# Altium PCB mainboard.PcbDoc (part 1 of 7) (continued)
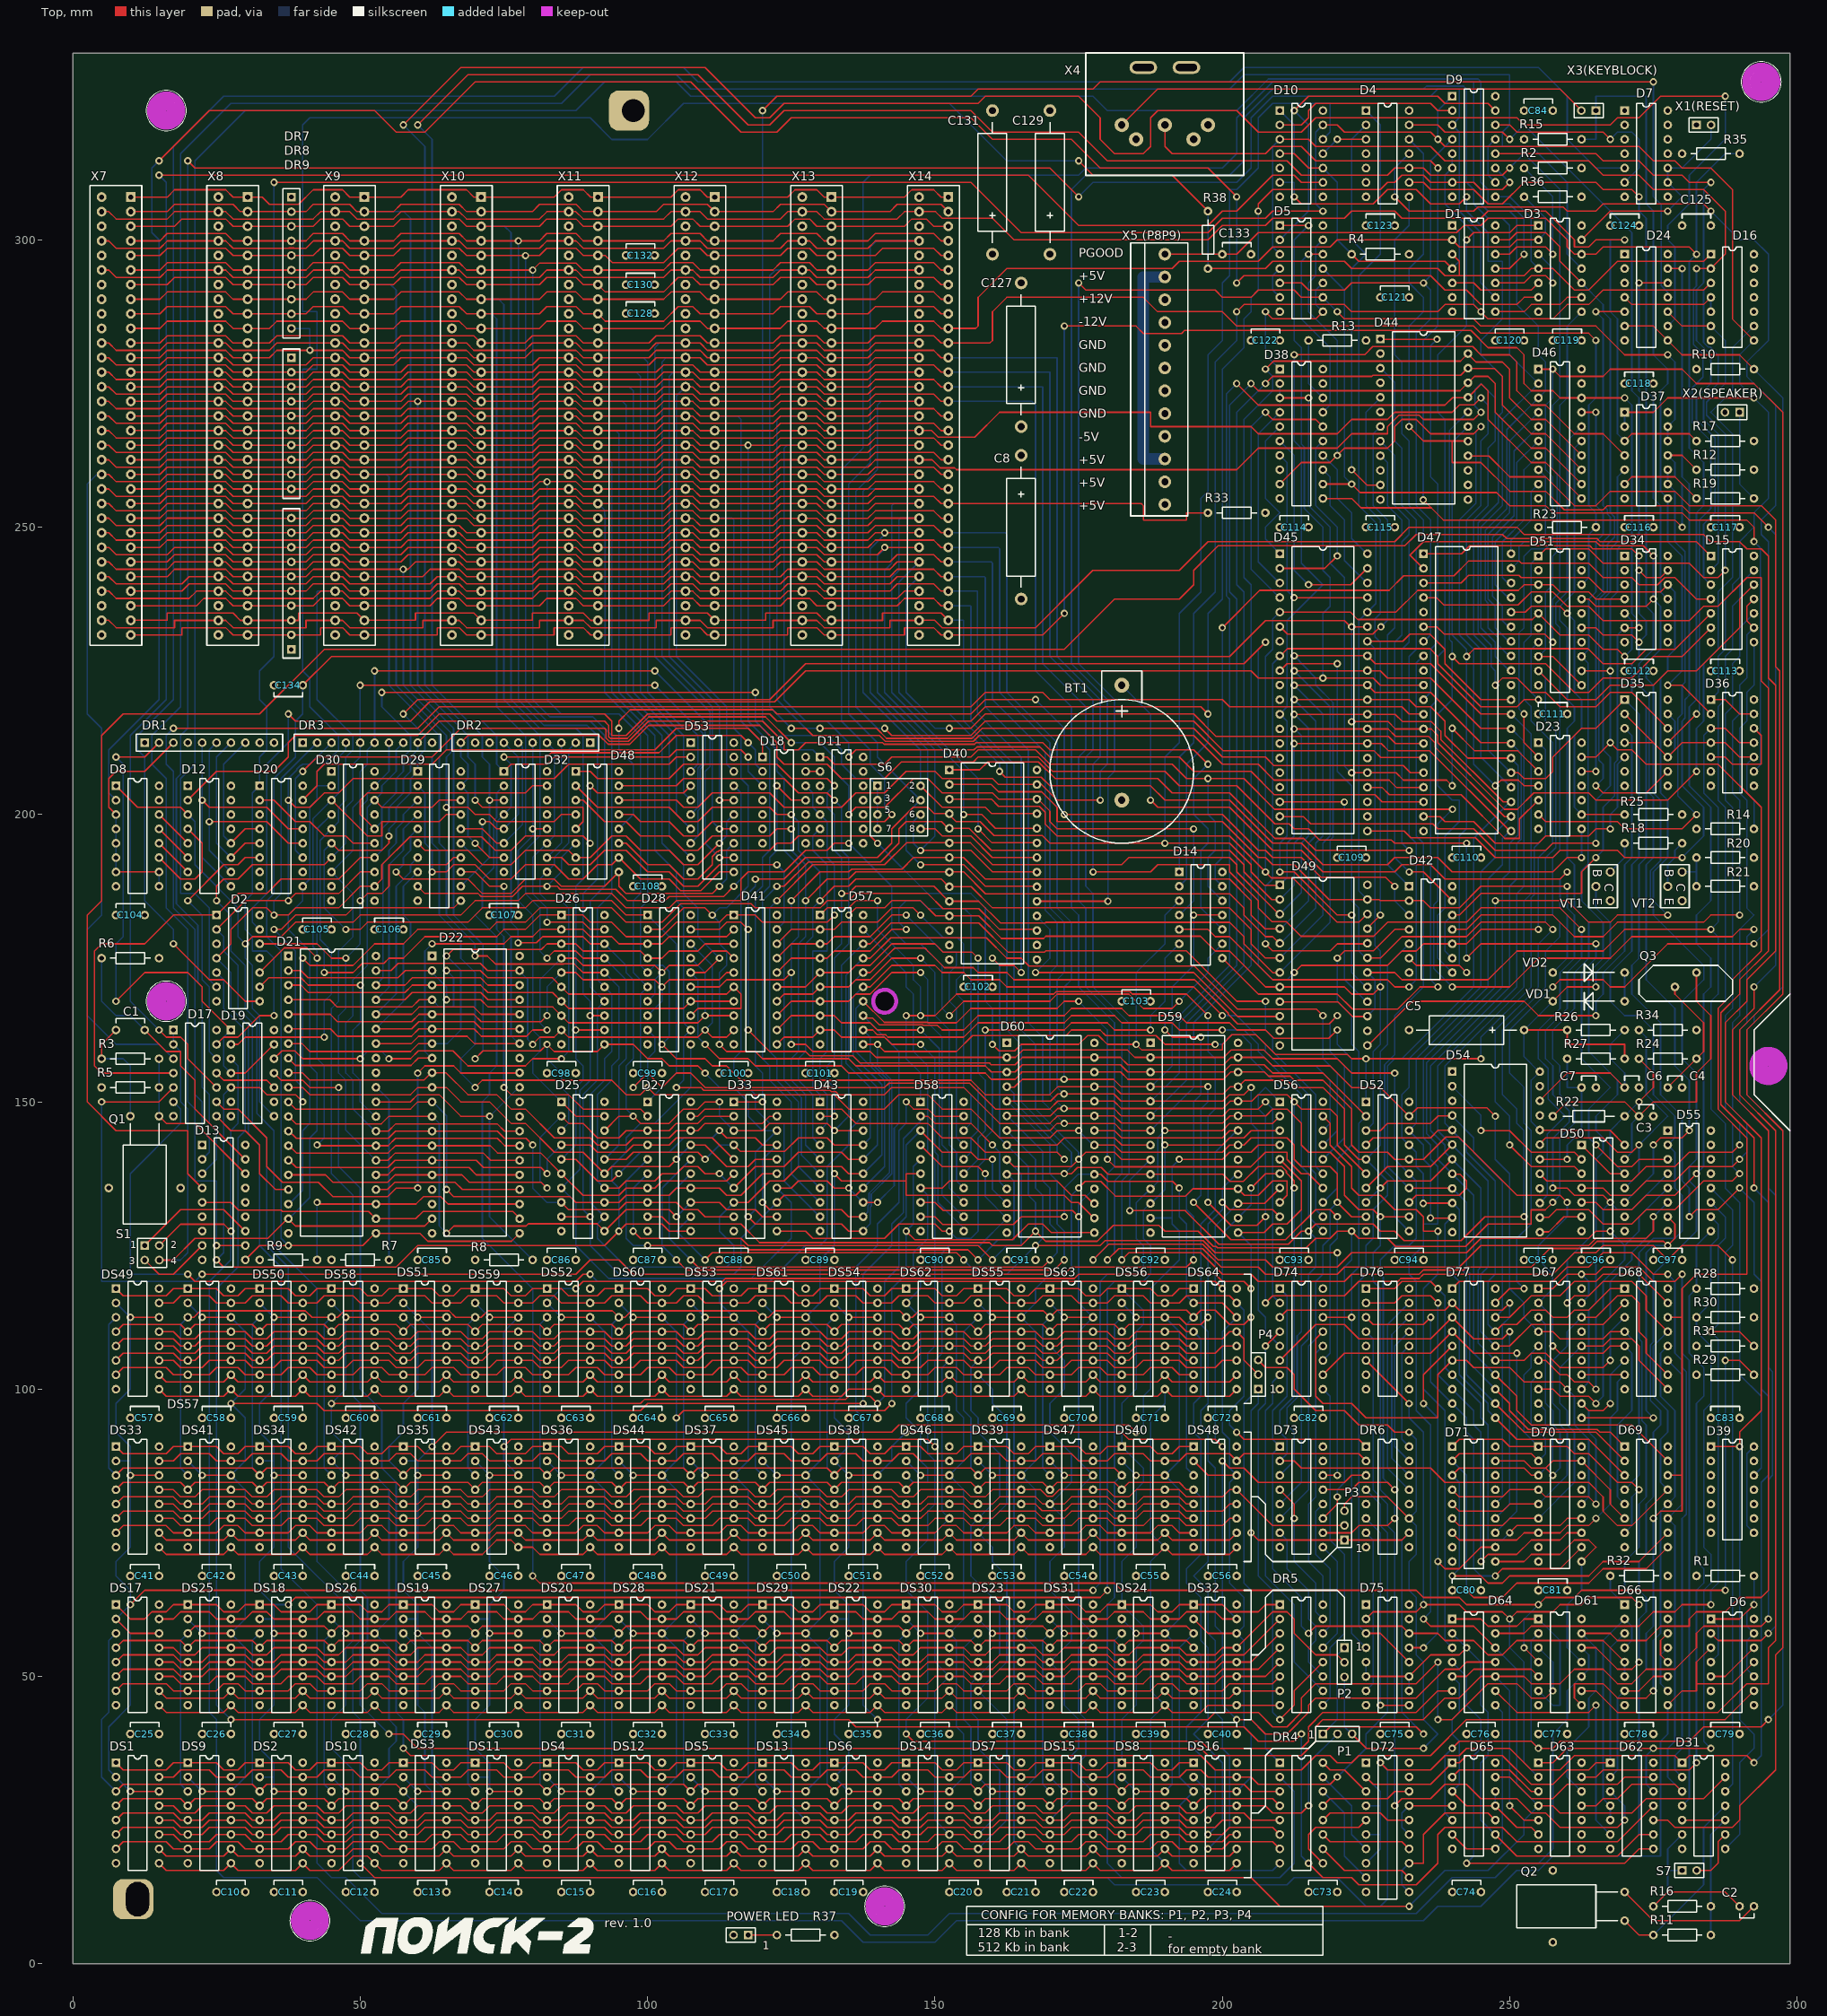
[diagram p0: Top view]
## Components (designator, comment, footprint, x,y, rotation, side; value= is the part's Value field where it differs from the comment) (continued)
X4 "Keyboard" DN-5J 182.498,320 r0 top
"X5 (P8P9)" "POWER SUPPLY" P8P9_12A 189.998,297.5 r0 top (schematic designator X5)
X7 "SlotISA8Bit" ISA8bit 4.998,307.45 r0 top
X8 "SlotISA8Bit" ISA8bit 25.318,307.45 r0 top
X9 "SlotISA8Bit" ISA8bit 45.638,307.45 r0 top
X10 "SlotISA8Bit" ISA8bit 65.958,307.45 r0 top
X11 "SlotISA8Bit" ISA8bit 86.278,307.45 r0 top
X12 "SlotISA8Bit" ISA8bit 106.598,307.45 r0 top
X13 "SlotISA8Bit" ISA8bit 126.918,307.45 r0 top
X14 "SlotISA8Bit" ISA8bit 147.238,307.45 r0 top

## Footprints (in the part's own frame and the unit in brackets; to place one, negate y for a bottom-side part, rotate by r counter-clockwise, add the part's x,y. Pads: shape width x height; smd on the part's side, far side on the other; paste and mask are expansions set on the pad)
BATTERY_6V [mm]
  round 2.6 hole 1.3: 1(0,0) 2(20,0)
  silkscreen extent -2.5,-12.5 27.5,12.5, body extent -2.68,-11.5 24.75,11.5, height 8.71
CAP_2.5MM [mm]
  round 1.5 hole 0.8: 1(0,0) 2(2.5,0)
  silkscreen extent 0,1.25 2.5,2
Cap_5mm [mm]
  round 1.5 hole 0.8: 1(0,0) 2(5,0)
  silkscreen extent 0,1.25 5,2, body extent -1.25,-2.25 6.25,2.25, height 8
CAP_20MM_P [mm]
  round 1.5 hole 0.8: 1(0,0) 2(20,0)
  silkscreen extent 1.25,-2.5 18.75,2.5
CAP_25MM_P [mm]
  round 2.2 hole 1.2: 1(0,0) 2(25,0)
  silkscreen extent 2,-2.5 23,2.5
DIOD_12.5 [mm]
  round 1.5 hole 0.8: A(0,0) K(12.5,0)
  silkscreen extent 1.75,-1.5 10.75,1.5
DIP14 [mm]
  rect 1.5x1.5 hole 0.8: 1(0,0)
  round 1.5 hole 0.8: 2(0,-2.5) 3(0,-5) 4(0,-7.5) 5(0,-10) 6(0,-12.5) 7(0,-15) 8(7.5,-15) 9(7.5,-12.5) 10(7.5,-10) 11(7.5,-7.5) 12(7.5,-5) 13(7.5,-2.5) 14(7.5,0)
  silkscreen extent 2.08,-16.25 5.42,1.25, body extent -0.24,-17.02 7.76,2.03, height 3.69
DIP16 [mm]
  rect 1.5x1.5 hole 0.8: 1(0,0)
  round 1.5 hole 0.8: 2(0,-2.5) 3(0,-5) 4(0,-7.5) 5(0,-10) 6(0,-12.5) 7(0,-15) 8(0,-17.5) 9(7.5,-17.5) 10(7.5,-15) 11(7.5,-12.5) 12(7.5,-10) 13(7.5,-7.5) 14(7.5,-5) 15(7.5,-2.5) 16(7.5,0)
  silkscreen extent 2.08,-18.75 5.42,1.25, body extent -0.21,-19.77 7.66,2.23, height 4.94
DIP18 [mm]
  rect 1.5x1.5 hole 0.8: 1(0,0)
  round 1.5 hole 0.8: 2(0,-2.5) 3(0,-5) 4(0,-7.5) 5(0,-10) 6(0,-12.5) 7(0,-15) 8(0,-17.5) 9(0,-20) 10(7.5,-20) 11(7.5,-17.5) 12(7.5,-15) 13(7.5,-12.5) 14(7.5,-10) 15(7.5,-7.5) 16(7.5,-5) 17(7.5,-2.5) 18(7.5,0)
  silkscreen extent 2.08,-21.25 5.42,1.25, body extent -0.28,-21.44 7.59,1.55, height 5.08
DIP20 [mm]
  rect 1.5x1.5 hole 0.8: 1(0,0)
  round 1.5 hole 0.8: 2(0,-2.5) 3(0,-5) 4(0,-7.5) 5(0,-10) 6(0,-12.5) 7(0,-15) 8(0,-17.5) 9(0,-20) 10(0,-22.5) 11(7.5,-22.5) 12(7.5,-20) 13(7.5,-17.5) 14(7.5,-15) 15(7.5,-12.5) 16(7.5,-10) 17(7.5,-7.5) 18(7.5,-5) 19(7.5,-2.5) 20(7.5,0)
  silkscreen extent 2.08,-23.75 5.42,1.25, body extent -0.21,-24.47 7.61,2.07, height 4.57
DIP24 [mm]
  rect 1.5x1.5 hole 0.8: 1(0,0)
  round 1.5 hole 0.8: 2(0,-2.54) 3(0,-5.08) 4(0,-7.62) 5(0,-10.16) 6(0,-12.7) 7(0,-15.24) 8(0,-17.78) 9(0,-20.32) 10(0,-22.86) 11(0,-25.4) 12(0,-27.94) 13(15.24,-27.94) 14(15.24,-25.4) 15(15.24,-22.86) 16(15.24,-20.32) 17(15.24,-17.78) 18(15.24,-15.24) 19(15.24,-12.7) 20(15.24,-10.16) 21(15.24,-7.62) 22(15.24,-5.08) 23(15.24,-2.54) 24(15.24,0)
  silkscreen extent 2.08,-28.75 12.92,1.25, body extent -0.22,-29.93 15.22,2.33, height 5.09
DIP28 [mm]
  rect 1.5x1.5 hole 0.8: 1(0,0)
  round 1.5 hole 0.8: 2(0,-2.54) 3(0,-5.08) 4(0,-7.62) 5(0,-10.16) 6(0,-12.7) 7(0,-15.24) 8(0,-17.78) 9(0,-20.32) 10(0,-22.86) 11(0,-25.4) 12(0,-27.94) 13(0,-30.48) 14(0,-33.02) 15(15.24,-33.02) 16(15.24,-30.48) 17(15.24,-27.94) 18(15.24,-25.4) 19(15.24,-22.86) 20(15.24,-20.32) 21(15.24,-17.78) 22(15.24,-15.24) 23(15.24,-12.7) 24(15.24,-10.16) 25(15.24,-7.62) 26(15.24,-5.08) 27(15.24,-2.54) 28(15.24,0)
  silkscreen extent 2.08,-33.75 12.92,1.25
DIP40 [mm]
  rect 1.5x1.5 hole 0.8: 1(0,0)
  round 1.5 hole 0.8: 2(0,-2.54) 3(0,-5.08) 4(0,-7.62) 5(0,-10.16) 6(0,-12.7) 7(0,-15.24) 8(0,-17.78) 9(0,-20.32) 10(0,-22.86) 11(0,-25.4) 12(0,-27.94) 13(0,-30.48) 14(0,-33.02) 15(0,-35.56) 16(0,-38.1) 17(0,-40.64) 18(0,-43.18) 19(0,-45.72) 20(0,-48.26) 21(15.24,-48.26) 22(15.24,-45.72) 23(15.24,-43.18) 24(15.24,-40.64) 25(15.24,-38.1) 26(15.24,-35.56) 27(15.24,-33.02) 28(15.24,-30.48) 29(15.24,-27.94) 30(15.24,-25.4) 31(15.24,-22.86) 32(15.24,-20.32) 33(15.24,-17.78) 34(15.24,-15.24) 35(15.24,-12.7) 36(15.24,-10.16) 37(15.24,-7.62) 38(15.24,-5.08) 39(15.24,-2.54) 40(15.24,0)
  silkscreen extent 2.08,-48.75 12.92,1.25
DN-5J [mm]
  round 2.5 hole 1.3: 1(0,0)
  round 2.5 hole 1.3 mask+0.102: 2(7.5,0) 3(15,0) 4(2.5,-2.5) 5(12.5,-2.5)
  oval 4.8x2.2 hole 1.2 slot 3.7 at 0 deg mask+0.102: ""(3.75,10) ""(11.25,10)
  silkscreen extent -6.25,-8.75 21.25,12.5
HDR1X2 [mm] "Connector; Header; 2 Position"
  rect 1.5x1.5 hole 0.9: 1(0,0)
  round 1.5 hole 0.9: 2(2.54,0)
  silkscreen extent -1.27,-1.27 3.81,1.27
HDR1X3 [mm] "Connector; Header; 3 Position"
  rect 1.5x1.5 hole 0.9: 1(0,0)
  round 1.5 hole 0.9: 2(2.54,0) 3(5.08,0)
  silkscreen extent -1.27,-1.27 6.35,1.27
HDR2X2 [mm] "Connector; Header; 2x2 Position"
  rect 1.5x1.5 hole 0.9: 1(0,0)
  round 1.5 hole 0.9: 2(0,2.54) 3(2.54,0) 4(2.54,2.54)
  silkscreen extent -1.27,-1.27 3.81,3.81
HEADER4X2 [mm]
  rect 1.5x1.5 hole 0.8: 1(0,0)
  round 1.5 hole 0.8: 2(7.5,0) 3(0,-2.5) 4(7.5,-2.5) 5(0,-5) 6(7.5,-5) 7(0,-7.5) 8(7.5,-7.5)
  silkscreen extent -1.25,-8.75 8.75,1.25
ISA8bit [mm]
  rect 1.7x1.7 hole 0.9: 1(5.08,0)
  round 1.7 hole 0.9: 2(5.08,-2.54) 3(5.08,-5.08) 4(5.08,-7.62) 5(5.08,-10.16) 6(5.08,-12.7) 7(5.08,-15.24) 8(5.08,-17.78) 9(5.08,-20.32) 10(5.08,-22.86) 11(5.08,-25.4) 12(5.08,-27.94) 13(5.08,-30.48) 14(5.08,-33.02) 15(5.08,-35.56) 16(5.08,-38.1) 17(5.08,-40.64) 18(5.08,-43.18) 19(5.08,-45.72) 20(5.08,-48.26) 21(5.08,-50.8) 22(5.08,-53.34) 23(5.08,-55.88) 24(5.08,-58.42) 25(5.08,-60.96) 26(5.08,-63.5) 27(5.08,-66.04) 28(5.08,-68.58) 29(5.08,-71.12) 30(5.08,-73.66) 31(5.08,-76.2) 32(0,0) 33(0,-2.54) 34(0,-5.08) 35(0,-7.62) 36(0,-10.16) 37(0,-12.7) 38(0,-15.24) 39(0,-17.78) 40(0,-20.32) 41(0,-22.86) 42(0,-25.4) 43(0,-27.94) 44(0,-30.48) 45(0,-33.02) 46(0,-35.56) 47(0,-38.1) 48(0,-40.64) 49(0,-43.18) 50(0,-45.72) 51(0,-48.26) 52(0,-50.8) 53(0,-53.34) 54(0,-55.88) 55(0,-58.42) 56(0,-60.96) 57(0,-63.5) 58(0,-66.04) 59(0,-68.58) 60(0,-71.12) 61(0,-73.66) 62(0,-76.2)
  silkscreen extent -2,-78 7,2
NR1-4-9 [mm]
  rect 1.5x1.5 hole 0.8: 1(0,0)
  round 1.5 hole 0.8: 2(0,-2.5) 3(0,-5) 4(0,-7.5) 5(0,-10) 6(0,-12.5) 7(0,-15) 8(0,-17.5) 9(0,-20) 10(0,-22.5)
  silkscreen extent -1.5,-24 1.5,1.5
NR1-4-9ENG [mm]
  rect 1.5x1.5 hole 0.8: 1(0,0)
  round 1.5 hole 0.8: 2(0,-2.54) 3(0,-5.08) 4(0,-7.62) 5(0,-10.16) 6(0,-12.7) 7(0,-15.24) 8(0,-17.78) 9(0,-20.32) 10(0,-22.86)
  silkscreen extent -1.5,-24.5 1.5,1.5
P8P9_12A [mm]
  round 2.2 hole 1.2: 1(0,0) 2(0,-3.96) 3(0,-7.92) 4(0,-11.88) 5(0,-15.84) 6(0,-19.8) 7(0,-23.76) 8(0,-27.72) 9(0,-31.68) 10(0,-35.64) 11(0,-39.6) 12(0,-43.56)
  silkscreen extent -5.94,-45.54 4,1.98
RES_10MM [mm]
  round 1.5 hole 0.8: 1(0,0) 2(10,0)
  silkscreen extent 1.5,-1 8.5,1, body extent -0.31,-1.3 10.19,1.3, height 3.17
RES_12.5MM [mm]
  round 1.5 hole 0.8: 1(0,0) 2(12.5,0)
  silkscreen extent 1.75,-1 10.75,1, body extent -0.37,-1.75 12.87,1.75, height 4.5
TRANS [mm]
  round 1.6 hole 0.98: B(0,0) C(2.5,-2.5) E(5,0)
  silkscreen extent -1.25,-3.75 6.25,1.25, body extent -0.23,-2.29 5.3,0, height 9.81
XTAL32768 [mm]
  round 1.5 hole 0.8: 1(0,0) 2(-3.75,-2.5)
  silkscreen extent -10,-5 6.25,1.25
XTAL_24MHZ [mm]
  round 1.5 hole 0.8: 1(5,0) 2(0,0) ""(-3.75,-12.5) ""(8.75,-12.5)
  silkscreen extent -1.25,-18.75 6.25,-1.25, body extent -1.5,-18.5 6.5,-5, height 2

## Part data
C1: library part CAP_16
C3 C4: library part CAP_22
C6 C7: library part CAP_6N8
D4 D18 D42 D61 D64: library part KR1533LL1
D70 D71: library part K132RU8
P1 P2 P3 P4: "Header, 3-Pin"
"POWER LED" X1(RESET) X2(SPEAKER) X3(KEYBLOCK): library part "Header 2", "Header, 2-Pin"
S1: "Header, 2-Pin, Dual row"
S7: "Header, 2-Pin"
X4: library part ConnectorXTKeyboard
"X5 (P8P9)": library part ConnectorPOWERP8P9

## Free pads (board coordinates)
  rrect50% 7x7 hole 4 slot 6 at 90 deg copper offset -0.75,0: ""(11.25,11.25)
  round 4 hole 4 unplated: ""(16.248,167.5) ""(16.248,322.5) ""(41.248,7.5) ""(141.248,10) ""(141.25,167.5) ""(293.748,327.5) ""(294.998,156.25)
  rrect50% 7x7 hole 4 copper offset -0.75,0: ""(97.5,322.5)

## Via types
v1: diameter 1.27, hole 0.711, Top to Bottom, tented both sides, 640 vias

## Nets (pads, with @x,y where several pads share a name; then routed paths per layer and width w, separated by ;. In a path a pad name is that pad's centre, name@x,y a point inside that pad or via, vN(x,y) a via of type N, cw(c..) or ccw(c..) an arc to the next point about the centre after c; other vN are vias at no path point)
+12V: "X5 (P8P9).3" C127.1 C128.1 X7.40 X8.40 X9.40 X10.40 X11.40 X12.40 X13.40 X14.40
-5V: "X5 (P8P9).9" C131.2 C132.1 X7.36 X8.36 X9.36 X10.36 X11.36 X12.36 X13.36 X14.36
-12V: "X5 (P8P9).4" C129.2 C130.1 X7.38 X8.38 X9.38 X10.38 X11.38 X12.38 X13.38 X14.38
A0: D23.13 D46.18 D51.12 D62.9 D64.2 D65.9 D68.14 D69.14 D75.5 D75.6 D75.10 D75.11 DR9.2 X7.31 X8.31 X9.31 X10.31 X11.31 X12.31 X13.31 X14.31 | length 737.4
  Top w0.254: X7.31@10.078,231.25 18.961,231.25 18.965,231.255 18.965,232.515 26.585,232.515 27.855,231.245 43.095,231.245 43.095,232.515 46.905,232.515 48.175,231.245 63.415,231.245 63.415,232.515 67.225,232.515 68.495,231.245 83.735,231.245 83.735,232.515 88.815,232.515 90.085,231.245 104.055,231.245 104.055,232.515 109.135,232.515 110.405,231.245 124.375,231.245 124.375,232.515 129.455,232.515 130.725,231.245 144.695,231.245 144.695,232.515 149.775,232.515 151.045,231.245 X14.31@152.313,231.245 ; X14.31@152.318,231.25 168.75,231.25 v1(172.5,235) ; v1(172.5,285) 185,285 186.282,283.718 192.913,283.718 193.421,284.226 243.274,284.226 246.25,281.25 251.25,281.25 252.5,280 252.5,275 253.75,273.75 257.5,273.75 258.75,272.5 D46.18@262.498,272.5 v1(269.998,272.5) ; D75.6@224.998,50 D75.11@232.498,50 232.5,50 236.25,53.75 241.25,53.75 v1(242.5,55) ; D65.9@247.498,22.5 251.248,18.75 268.75,18.75 272.5,22.5 D62.9@274.998,22.5 ; D23.13@262.498,210 264.998,210 v1(267.498,212.5) 268.748,211.25 271.248,211.25 273.748,208.75 286.248,208.75 293.748,201.25 293.748,176.25 288.748,171.25 288.748,168.75 286.248,166.25 286.248,148.75 291.248,143.75 291.248,120 282.498,120 279.998,117.5 279.998,112.5 ; D51.12@262.498,225 v1(267.498,225) ; v1(275,77.5) 276.252,78.752 279.998,78.752 279.998,85 ; D69.14@277.498,84.998 D69.14@277.498,85 279.998,85 ; D68.14@277.498,112.5 279.998,112.5 ; 279.998,85 279.998,112.5
  Bottom w0.254: v1(172.5,235) v1(172.5,285) ; D75.6@224.998,50 D75.5@224.998,52.5 ; D75.10@232.498,47.5 D75.11@232.498,50 ; D64.2@239.998,57.5 v1@242.498,55 ; v1(242.5,55) 245,52.5 245,45 246.25,43.75 246.25,36.25 245,35 245,24.998 D65.9@247.498,22.5 ; v1(267.498,212.5) v1(267.498,225) 267.498,237.5 268.748,238.75 268.748,246.25 271.248,248.75 271.248,271.25 v1(269.998,272.5) ; D62.9@274.998,22.5 272.5,22.5 272.5,50 273.75,51.25 273.75,57.5 275,58.75 v1(275,77.5)
A1: D27.5 D46.17 D51.13 D59.10 D60.10 D68.13 D69.13 D73.2 DR9.3 X7.30 X8.30 X9.30 X10.30 X11.30 X12.30 X13.30 X14.30 | length 765.2
  Top w0.254: X7.30@10.078,233.79 16.421,233.79 16.425,233.795 16.425,235.055 27.855,235.055 29.125,233.785 39.285,233.785 39.285,235.055 49.445,235.055 50.711,233.79 X9.30@50.718,233.79 59.601,233.79 59.605,233.795 59.605,235.055 69.765,235.055 71.031,233.79 X10.30@71.038,233.79 79.921,233.79 79.925,233.795 79.925,235.055 88.815,235.055 90.085,233.785 100.245,233.785 100.245,235.055 110.405,235.055 111.671,233.79 X12.30@111.678,233.79 120.561,233.79 120.565,233.795 120.565,235.055 129.455,235.055 130.725,233.785 140.885,233.785 140.885,235.055 151.053,235.055 X14.30@152.318,233.79 ; v1(99.998,125) 116.756,125 117.498,124.258 155.74,124.258 v1(157.498,122.5) ; D60.10@162.498,137.5 v1(172.498,137.5) 173.748,137.5 174.805,138.557 178.941,138.557 180.084,137.414 200.086,137.414 201.356,136.144 203.644,136.144 206.25,138.75 210.347,138.75 211.129,137.968 211.129,137.621 212.5,136.25 v1@212.5,135.002 ; D73.2@209.998,87.5 212.5,87.5 213.75,86.25 236.25,86.25 238.75,83.75 263.75,83.75 266.25,81.25 266.25,78.75 268.75,76.25 271.25,76.25 ; v1(212.498,135) v1@212.5,134.998 ; v1(259.998,115) 261.248,116.25 263.748,116.25 266.248,118.75 271.248,118.75 273.748,116.25 273.748,113.75 D68.13@277.498,110 ; D46.17@262.498,270 v1(264.998,270) ; 271.249,76.251 D69.13@277.498,82.5
  Bottom w0.254: v1(99.998,125) 97.498,125 96.248,126.25 96.248,136.25 D27.5@99.998,140 ; X14.30@152.318,233.79 154.958,233.79 ; 154.958,233.75 154.958,216.29 162.498,208.75 162.498,162.5 164.998,160 164.998,150 173.748,141.25 173.748,138.75 v1(172.498,137.5) ; v1(157.498,122.5) 160.982,125.984 163.748,125.984 163.748,136.25 D60.10@162.498,137.5 ; D73.2@209.998,87.5 211.248,88.75 211.248,91.25 209.998,92.5 209.998,96.25 212.498,98.75 v1(212.498,135) ; v1(259.998,115) 259.998,122.5 264.998,127.5 264.998,140 266.248,141.25 266.248,143.75 264.998,145 264.998,147.5 268.748,151.25 268.748,153.75 263.748,158.75 263.748,172.5 266.248,175 266.248,181.25 262.498,185 262.498,190.238 263.629,191.369 263.629,226.369 D51.13@262.498,227.5 263.748,228.75 263.748,237.5 264.998,238.75 264.998,247.5 266.248,248.75 266.248,252.5 264.998,253.75 v1(264.998,270) ; D69.13@277.498,82.5 276.248,83.75 276.248,91.25 277.498,92.5 277.498,96.25 274.998,98.75 274.998,107.5 D68.13@277.498,110
A2: D27.6 D46.16 D59.9 D60.9 D73.5 DR9.4 X7.29 X8.29 X9.29 X10.29 X11.29 X12.29 X13.29 X14.29 | length 665.3
  Top w0.254: X7.29@10.078,236.33 21.51,236.33 22.775,237.595 26.585,237.595 27.855,236.325 41.825,236.325 43.095,237.595 46.905,237.595 48.175,236.325 62.145,236.325 63.415,237.595 67.225,237.595 68.495,236.325 81.195,236.325 82.465,237.595 87.545,237.595 88.815,236.325 102.785,236.325 104.055,237.595 107.865,237.595 109.135,236.325 123.105,236.325 124.375,237.595 128.185,237.595 129.455,236.325 143.425,236.325 144.695,237.595 149.775,237.595 151.045,236.325 X14.29@152.313,236.325 ; v1(97.498,127.5) 98.748,126.25 116.248,126.25 117.498,125 157.498,125 v1(159.998,122.5) ; D60.9@162.498,140 163.748,138.75 173.748,138.75 v1(174.998,140) 176.248,141.25 181.248,141.25 182.544,139.954 187.452,139.954 D59.9@187.498,140 ; v1(183.896,131.064) 193.564,131.064 193.556,131.056 199.39,125.222 211.472,125.222 213.75,127.5 v1(215,127.5) 216.25,128.75 226.25,128.75 227.5,127.5 230,127.5 231.643,125.857 241.554,125.857 245.697,130 v1(252.498,130)
  Bottom w0.254: v1(97.498,127.5) 97.498,135 D27.6@99.998,137.5 ; X14.29@152.318,236.33 156.168,236.33 156.25,236.248 156.25,216.248 163.748,208.75 163.748,163.75 167.498,160 167.498,148.75 174.998,141.25 v1(174.998,140) ; v1(159.998,122.5) 162.498,125 164.998,125 164.998,137.5 D60.9@162.498,140 ; v1(183.896,131.064) 183.896,136.102 183.748,136.25 D59.9@187.498,140 ; D73.5@209.998,80 213.75,83.752 213.75,107.5 215,108.75 215,120 216.25,121.25 216.25,126.25 v1(215,127.5) ; v1(252.498,130) 252.498,145 251.248,146.25 251.248,148.75 248.748,151.25 248.748,162.5 256.248,170 256.248,176.25 258.748,178.75 258.748,181.25 257.498,182.5 257.498,192.5 258.748,193.75 258.748,232.5 258.006,233.242 258.006,236.758 259.998,238.75 259.998,265 D46.16@262.498,267.5
A3: D27.9 D46.15 D59.8 D60.8 D73.11 DR9.5 X7.28 X8.28 X9.28 X10.28 X11.28 X12.28 X13.28 X14.28 | length 672.8
  Top w0.254: X7.28@10.078,238.87 18.97,238.87 20.235,240.135 26.585,240.135 27.855,238.865 40.555,238.865 41.825,240.135 46.905,240.135 48.175,238.865 62.145,238.865 63.415,240.135 67.225,240.135 68.495,238.865 79.925,238.865 81.195,240.135 87.545,240.135 88.815,238.865 102.785,238.865 104.055,240.135 107.865,240.135 109.135,238.865 123.105,238.865 124.375,240.135 129.455,240.135 130.725,238.865 142.155,238.865 143.425,240.135 149.775,240.135 151.045,238.865 X14.28@152.313,238.865 ; D27.9@99.998,130 102.5,130 103.75,128.75 116.25,128.75 119.492,125.508 159.492,125.508 160,125 165,125 165,125.002 v1(167.498,127.5) ; v1(159.998,175) 161.248,173.75 163.748,173.75 v1(164.998,172.5) ; D60.8@162.498,142.5 171.25,142.5 172.5,143.75 181.248,143.75 182.504,142.494 187.492,142.494 D59.8@187.498,142.5 ; v1(167.498,127.5) 169.27,125.73 178.23,125.73 181.024,128.524 188.976,128.524 190,127.5 195.775,127.5 198.46,124.816 198.934,124.816 199.163,124.587 214.587,124.587 216.25,126.25 218.75,126.25 220,127.5 v1(222.498,127.5) 223.748,126.25 228.748,126.25 230.157,124.841 242.339,124.841 246.249,128.751 253.749,128.751 253.75,128.752 253.75,131.191 256.189,131.191 v1(257.498,132.5) ; D73.11@217.498,77.5 220,80.002 v1(220,81.25)
  Bottom w0.254: X14.28@152.318,238.87 157.378,238.87 157.378,217.62 164.998,210 v1(164.998,172.5) ; v1(159.998,175) 161.248,173.75 161.248,143.75 162.498,142.5 166.248,138.75 166.248,133.75 167.498,132.5 v1(167.498,127.5) ; v1(220,81.25) 220,82.498 219.998,82.5 221.248,83.75 221.248,121.25 222.498,122.5 v1(222.498,127.5) ; v1(257.498,132.5) 258.748,133.75 258.748,143.75 261.248,146.25 261.248,148.75 258.748,151.25 258.748,156.25 257.498,157.5 257.498,162.5 261.248,166.25 261.248,172.5 263.748,175 263.748,181.25 261.248,183.75 261.248,191.25 259.998,192.5 259.998,215 261.248,216.25 261.248,218.75 259.998,220 259.998,232.5 258.748,233.75 258.748,236.25 261.248,238.75 261.248,263.75 D46.15@262.498,265
A4: D27.12 D44.23 D46.14 D59.7 D60.7 D73.14 DR9.6 X7.27 X8.27 X9.27 X10.27 X11.27 X12.27 X13.27 X14.27 | length 682.3
  Top w0.254: X7.27@10.078,241.41 16.43,241.41 17.695,242.675 26.585,242.675 27.855,241.405 40.555,241.405 41.825,242.675 46.905,242.675 48.175,241.405 60.875,241.405 62.145,242.675 67.225,242.675 68.495,241.405 79.925,241.405 81.195,242.675 87.545,242.675 88.815,241.405 102.785,241.405 104.055,242.675 107.865,242.675 109.135,241.405 123.105,241.405 124.375,242.675 129.455,242.675 130.725,241.405 142.155,241.405 143.425,242.675 149.775,242.675 151.045,241.405 X14.27@152.313,241.405 ; v1(109.998,122.5) 111.248,123.75 153.748,123.75 v1(154.998,122.5) ; D60.7@162.498,145 170,145 171.25,146.25 v1(172.498,146.25) 181.248,146.25 182.498,145 D59.7@187.498,145 ; v1(167.498,125) 178.748,125 179.605,125.857 196.641,125.857 198.748,123.75 v1(219.998,123.75) ; v1(207.498,277.5) 208.89,278.892 241.427,278.892 242.535,280 242.859,280 244.109,278.75 248.748,278.75 249.998,277.5 249.998,272.5 253.748,268.75 256.248,268.75 D46.14@262.498,262.5 ; D73.14@217.498,85 v1(219.998,85)
  Bottom w0.254: D27.12@107.498,130 104.998,127.5 v1(109.998,122.5) ; X14.27@152.318,241.41 158.59,241.41 158.748,241.252 158.748,218.75 166.248,211.25 166.248,163.75 168.748,161.25 168.748,150 v1(172.498,146.25) ; v1(154.998,122.5) 157.498,120 162.498,120 v1(167.498,125) 168.748,126.25 168.748,133.75 167.498,135 167.498,140 D60.7@162.498,145 ; D59.7@187.498,145 194.998,152.5 194.998,163.791 197.121,165.914 197.164,165.914 204.998,173.748 204.998,240 203.748,241.25 203.748,268.75 208.748,273.75 208.748,276.25 v1(207.498,277.5) ; v1(219.998,85) v1(219.998,123.75)
A5: D27.15 D44.22 D46.13 D59.6 D60.6 D74.2 DR9.7 X7.26 X8.26 X9.26 X10.26 X11.26 X12.26 X13.26 X14.26 | length 655.6
  Top w0.254: X7.26@10.078,243.95 16.421,243.95 17.686,245.215 26.585,245.215 27.855,243.945 40.555,243.945 41.825,245.215 46.905,245.215 48.175,243.945 57.065,243.945 58.335,245.215 67.225,245.215 68.495,243.945 79.925,243.945 81.195,245.215 87.545,245.215 88.815,243.945 102.785,243.945 104.055,245.215 107.865,245.215 109.135,243.945 121.835,243.945 123.105,245.215 129.455,245.215 130.725,243.945 142.155,243.945 143.425,245.215 149.775,245.215 151.045,243.945 X14.26@152.313,243.945 ; v1(107.498,122.5) 108.748,121.25 168.748,121.25 v1(169.998,122.5) ; D60.6@162.498,147.5 162.572,147.574 170.074,147.574 171.344,148.844 v1(172.466,148.844) 181.154,148.844 182.424,147.574 200.074,147.574 201.25,148.75 206.248,148.75 v1(207.498,150) ; v1(207.498,275) 208.748,276.25 226.008,276.25 226.212,276.454 241.452,276.454 242.62,277.622 247.376,277.622 248.748,276.25 248.748,271.25 253.748,266.25 256.248,266.25 D46.13@262.498,260
  Bottom w0.254: v1(107.498,122.5) 103.748,126.25 103.748,133.75 D27.15@107.498,137.5 ; X14.26@152.318,243.95 159.8,243.95 159.998,243.752 159.998,220 169.164,210.834 169.164,183.334 171.248,181.25 171.248,173.75 169.998,172.5 169.998,151.25 172.404,148.844 v1(172.466,148.844) ; D60.6@162.498,147.5 162.634,147.5 168.748,141.386 168.748,136.25 169.998,135 169.998,128.75 171.248,127.5 171.248,123.75 v1(169.998,122.5) ; D59.6@187.498,147.5 193.748,153.75 193.748,163.748 203.748,173.748 203.748,238.75 202.498,240 202.498,270 v1(207.498,275) ; v1(207.498,150) 208.748,148.75 208.748,116.25 D74.2@209.998,115
A6: D27.16 D44.21 D46.12 D59.5 D60.5 D74.5 DR9.8 X7.25 X8.25 X9.25 X10.25 X11.25 X12.25 X13.25 X14.25 | length 675.2
  Top w0.254: X7.25@10.078,246.49 15.16,246.49 16.425,247.755 26.585,247.755 27.855,246.485 40.555,246.485 41.825,247.755 46.905,247.755 48.175,246.485 57.065,246.485 58.335,247.755 67.225,247.755 68.495,246.485 79.925,246.485 81.195,247.755 87.545,247.755 88.815,246.485 102.785,246.485 104.055,247.755 107.865,247.755 109.135,246.485 121.835,246.485 123.105,247.755 129.455,247.755 130.725,246.485 138.345,246.485 139.615,247.755 149.775,247.755 151.045,246.485 X14.25@152.313,246.485 ; v1(104.998,122.5) 106.756,120.742 170.74,120.742 v1(172.498,122.5) ; D60.5@162.498,150 162.612,150.114 170.114,150.114 171.384,151.384 v1(172.466,151.384) 181.114,151.384 182.384,150.114 200.114,150.114 201.25,151.25 203.75,151.25 v1(205,152.5) ; v1(204.998,275) 206.248,273.75 241.365,273.75 243.865,276.25 246.248,276.25 247.498,275 247.498,270 253.748,263.75 256.248,263.75 D46.12@262.498,257.5
  Bottom w0.254: v1(104.998,122.5) 102.498,125 102.498,135 D27.16@107.498,140 ; X14.25@152.318,246.49 161.01,246.49 161.248,246.252 161.248,221.25 169.998,212.5 169.998,183.75 172.498,181.25 172.498,172.5 171.248,171.25 171.248,152.5 172.364,151.384 v1(172.466,151.384) ; D60.5@162.498,150 162.674,150 169.998,142.676 169.998,137.5 171.248,136.25 171.248,128.75 172.498,127.5 v1(172.498,122.5) ; D59.5@187.498,150 192.498,155 192.498,163.748 202.498,173.748 202.498,237.5 201.248,238.75 201.248,271.25 v1(204.998,275) ; v1(205,152.5) 205,146.25 206.25,145 206.25,113.75 207.5,112.5 207.5,109.998 D74.5@209.998,107.5
A7: D27.19 D44.20 D46.11 D59.4 D60.4 D74.11 DR9.9 X7.24 X8.24 X9.24 X10.24 X11.24 X12.24 X13.24 X14.24 | length 662.9
  Top w0.254: X7.24@10.078,249.03 15.16,249.03 16.425,250.295 26.585,250.295 27.855,249.025 40.555,249.025 41.825,250.295 46.905,250.295 48.175,249.025 57.065,249.025 58.335,250.295 67.225,250.295 68.495,249.025 79.925,249.025 81.195,250.295 87.545,250.295 88.815,249.025 102.785,249.025 104.055,250.295 107.865,250.295 109.135,249.025 121.835,249.025 123.105,250.295 129.455,250.295 130.725,249.025 138.345,249.025 139.615,250.295 149.775,250.295 151.045,249.025 X14.24@152.313,249.025 ; D27.19@107.498,147.5 108.75,147.5 110,148.75 133.75,148.75 136.25,146.25 148.75,146.25 151.25,143.75 156.25,143.75 158.75,141.25 171.25,141.25 v1@172.498,140.002 ; D60.4@162.498,152.5 162.525,152.527 163.777,152.527 165.174,153.924 v1(172.466,153.924) 181.074,153.924 182.344,152.654 v1(197.485,152.654) ; v1(195,132.5) 201.516,125.984 210.984,125.984 216.25,131.25 218.75,131.25 219.998,130.002 v1(219.998,130) ; v1(202.498,275) 206.248,271.25 238.748,271.25 240.04,272.542 242.697,272.542 245.076,274.921 246.248,273.75 246.248,268.75 253.748,261.25 256.248,261.25 D46.11@262.498,255
  Bottom w0.254: X14.24@152.318,249.03 162.22,249.03 162.498,248.752 162.498,221.25 171.248,212.5 171.248,183.75 173.748,181.25 173.748,171.25 172.466,169.968 v1(172.466,153.924) ; D60.4@162.498,152.5 162.714,152.5 163.748,151.466 163.748,150 171.248,142.5 171.248,141.25 v1(172.498,140) ; D59.4@187.498,152.5 191.248,156.25 191.248,163.75 201.248,173.75 201.248,237.5 200.74,238.008 200.74,273.242 v1(202.498,275) ; v1(195,132.5) 196.25,133.75 196.25,148.75 197.5,150 197.485,150.015 v1(197.485,152.654) ; D74.11@217.498,105 218.748,106.25 218.748,125 219.998,126.25 v1(219.998,130)
A8: D28.2 D42.4 D52.2 D59.3 D60.3 D74.14 D75.4 DR9.10 X7.23 X8.23 X9.23 X10.23 X11.23 X12.23 X13.23 X14.23 | length 527
  Top w0.254: X7.23@10.078,251.57 15.16,251.57 16.425,252.835 26.585,252.835 27.855,251.565 40.555,251.565 41.825,252.835 46.905,252.835 48.175,251.565 57.065,251.565 58.335,252.835 68.495,252.835 69.765,251.565 79.925,251.565 81.195,252.835 87.545,252.835 88.815,251.565 102.785,251.565 104.055,252.835 107.865,252.835 109.135,251.565 121.835,251.565 123.105,252.835 129.455,252.835 130.725,251.565 138.345,251.565 139.615,252.835 149.775,252.835 151.045,251.565 X14.23@152.313,251.565 ; D28.2@99.998,180 102.5,180 106.25,183.75 110,183.75 111.248,182.502 v1(111.248,182.5) ; v1(112.498,160) 113.748,158.75 118.748,158.75 119.998,157.5 134.998,157.5 136.248,156.25 158.748,156.25 159.804,155.194 163.944,155.194 165.214,156.464 182.284,156.464 183.554,155.194 200.194,155.194 201.464,156.464 207.286,156.464 208.75,155 217.498,155 D52.2@224.998,147.5 ; D74.14@217.498,112.5 v1(222.498,112.5) ; v1(219.998,175) 221.274,176.276 226.274,176.276 229.998,180 D42.4@232.498,180
  Bottom w0.254: X12.23@111.678,251.57 114.678,251.57 114.998,251.25 114.998,215 116.248,213.75 116.248,206.25 117.498,205 117.498,187.5 113.748,183.75 112.498,183.75 v1(111.248,182.5) 112.498,181.25 112.498,177.5 113.748,176.25 113.748,173.75 112.498,172.5 v1(112.498,160) ; v1(219.998,175) 219.998,167.5 222.498,165 222.498,160 223.748,158.75 223.748,148.75 D52.2@224.998,147.5 223.748,146.25 223.748,121.25 222.498,120 v1(222.498,112.5) 222.498,57.5 D75.4@224.998,55
A9: D28.5 D42.5 D52.5 D59.25 D60.25 D75.3 D75.12 R33.1 X7.22 X8.22 X9.22 X10.22 X11.22 X12.22 X13.22 X14.22 | length 577.3
  Top w0.254: X7.22@10.078,254.11 15.151,254.11 16.416,255.375 26.585,255.375 27.855,254.105 40.555,254.105 41.825,255.375 46.905,255.375 48.175,254.105 57.065,254.105 58.335,255.375 68.495,255.375 69.765,254.105 71.033,254.105 X10.22@71.038,254.11 71.043,254.105 79.925,254.105 81.195,255.375 87.545,255.375 88.815,254.105 102.785,254.105 104.055,255.375 107.865,255.375 109.135,254.105 121.835,254.105 123.105,255.375 129.455,255.375 130.725,254.105 138.345,254.105 139.615,255.375 149.775,255.375 151.045,254.105 X14.22@152.313,254.105 ; v1(102.498,160) 104.998,157.5 109.998,157.5 111.248,156.25 113.748,156.25 116.248,153.75 156.248,153.75 158.748,151.25 169.998,151.25 171.402,152.654 181.094,152.654 182.364,151.384 200.134,151.384 201.404,152.654 202.819,152.654 203.915,153.75 211.25,153.75 212.5,152.5 217.498,152.5 221.248,148.75 221.248,142.5 223.748,140 D52.5@224.998,140 ; X14.22@152.318,254.11 185.89,254.11 186.248,253.752 186.248,251.25 193.748,251.25 193.748,252.5 R33.1@197.498,252.5 ; D75.3@224.998,57.5 227.498,57.5 D75.12@232.498,52.5
  Bottom w0.254: X11.22@91.358,254.11 92.498,252.97 92.498,252.171 92.589,252.08 92.589,230.089 92.5,230 92.5,221.248 99.998,213.75 99.998,185 98.748,183.75 98.748,173.75 D28.5@99.998,172.5 101.248,173.75 102.685,173.75 103.748,172.687 103.748,161.25 v1(102.498,160) ; D75.3@224.998,57.5 223.748,58.75 223.748,118.75 224.998,120 224.998,125 226.248,126.25 226.248,131.25 228.748,133.75 228.748,136.25 D52.5@224.998,140 227.498,142.5 227.498,158.75 228.748,160 228.748,173.75 D42.5@232.498,177.5